# Altium PCB BalanceCar.PcbDoc (part 3 of 3)
Units mil, origin at the board's own origin, x right, y up, seen from the top; angles counter-clockwise.
Board outline 3810.03 x 2355.03 mil, 2 copper layers (Top Layer, Bottom Layer); 118 components, 87 nets, 429 pads, 218 vias.
Unrouted connection lines stored in the file: 3.
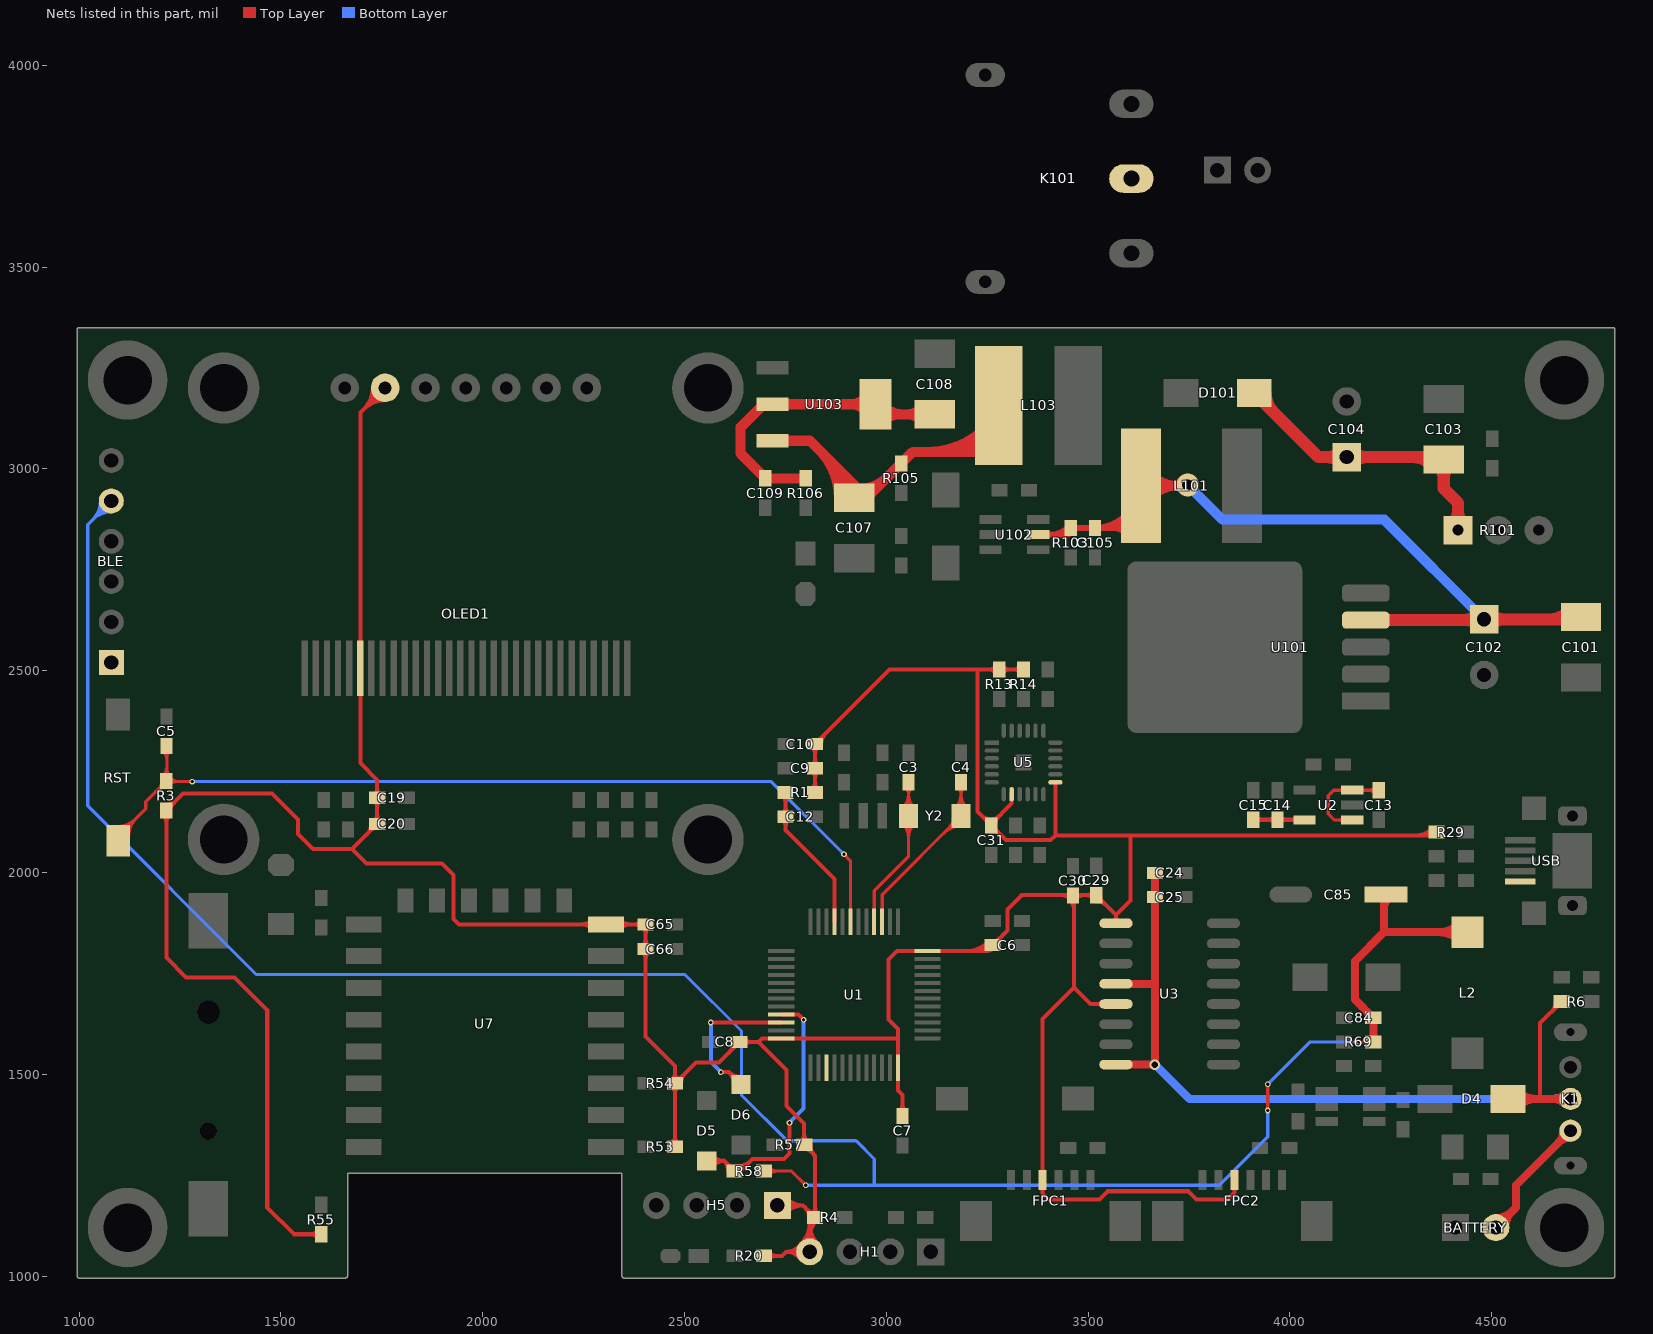
[diagram p3: the nets of this part, all layers, seen from the top]

## Via types
v1: diameter 14, hole 8, Top Layer to Bottom Layer, 171 vias
v2: diameter 28, hole 16, Top Layer to Bottom Layer, 44 vias
v3: diameter 38, hole 15, Top Layer to Bottom Layer, 1 vias
v4: diameter 56, hole 28, Top Layer to Bottom Layer, 1 vias
v5: diameter 26, hole 16, Top Layer to Bottom Layer, 1 vias

## Nets (pads, with @x,y where several pads share a name; then routed paths per layer and width w, separated by ;. In a path a pad name is that pad's centre, name@x,y a point inside that pad or via, vN(x,y) a via of type N, cw(c..) or ccw(c..) an arc to the next point about the centre after c; other vN are vias at no path point) (continued)
PB10: D5.1 R58.2 U1.21 | length 982.5
  Top Layer w10: D5.1@2555,1285 2598.5,1285 ; U1.21@2739.63,1647.68 2782.32,1647.68 v1(2795,1635) ; v1(2760,1380) 2760,1304 2746,1290 2668.75,1290 2638.75,1260 R58.2@2623.5,1260 2598.5,1285 ; 2598.5,1285 cw(c2598.5,1326.49) 2568.47,1297.85 ccw(c2598.5,1326.49) 2598.5,1285 ; 2598.5,1285 ccw(c2598.5,1243.51) 2568.47,1272.15 cw(c2598.5,1243.51) 2598.5,1285 ; 2597.89,1285.61 cw(c2572.29,1260) 2608.5,1260 ccw(c2572.29,1260) 2597.89,1285.61 ; R58.2@2608.16,1275.34 ccw(c2619.25,1286.43) 2619.25,1270.75 cw(c2619.25,1286.43) R58.2@2608.16,1275.34 ; R58.2@2627.75,1260.75 ccw(c2627.75,1289.11) 2647.81,1269.06 cw(c2627.75,1289.11) R58.2@2627.75,1260.75 ; R58.2@2627.75,1270.75 ccw(c2627.75,1323.25) 2664.88,1286.13 cw(c2627.75,1323.25) R58.2@2627.75,1270.75
  Bottom Layer w10: v1(2760,1380) 2795,1415 v1(2795,1635)
PB11: D6.2 U1.22 | length 499.5
  Top Layer w10: v1(2565,1628) U1.22@2739.63,1628 ; v1(2590,1505) 2610,1505 ; D6.2@2640,1475 2610,1505 ; 2610,1505 cw(c2582.41,1477.41) 2621.39,1475.78 ccw(c2582.41,1477.41) 2610,1505 ; 2610,1505 ccw(c2637.59,1532.59) 2639.22,1493.61 cw(c2637.59,1532.59) 2610,1505
  Bottom Layer w10: v1(2565,1628) 2565,1530 v1(2590,1505)
PB14: U1.27
PC14: C4.2 U1.3 Y2.1 | length 961.9
  Top Layer w8: U1.3@2989.63,1878 2989.63,1944.63 Y2.1@3184.96,2140 C4.2@3184.96,2223.5 ; 3184.96,2173.96 cw(c3156.9,2173.96) 3176.74,2154.12 ccw(c3156.9,2173.96) 3184.96,2173.96 ; 3184.96,2173.96 ccw(c3213.02,2173.96) 3193.18,2154.12 cw(c3213.02,2173.96) 3184.96,2173.96 ; 3184.96,2191.94 cw(c3211.52,2191.94) 3192.74,2210.72 ccw(c3211.52,2191.94) 3184.96,2191.94 ; 3184.96,2191.94 ccw(c3158.4,2191.94) 3177.18,2210.72 cw(c3158.4,2191.94) 3184.96,2191.94 ; 3184.96,2193.28 cw(c3137.59,2193.28) 3171.09,2159.78 ccw(c3137.59,2193.28) 3184.96,2193.28 ; 3184.96,2193.28 ccw(c3232.33,2193.28) 3198.84,2159.78 cw(c3232.33,2193.28) 3184.96,2193.28 ; 3141.45,2096.45 cw(c3184.96,2052.94) 3184.96,2114.47 ccw(c3184.96,2052.94) 3141.45,2096.45 ; 3155.11,2110.11 cw(c3184.96,2080.25) 3184.96,2122.47 ccw(c3184.96,2080.25) 3155.11,2110.11 ; 3155.61,2110.61 ccw(c3132.13,2134.09) 3165.34,2134.09 cw(c3132.13,2134.09) 3155.61,2110.61
PC15: C3.2 U1.4 Y2.2 | length 938.1
  Top Layer w8: U1.4@2969.95,1878 2969.95,1954.94 3055.04,2040.04 Y2.2@3055.04,2140 C3.2@3055.04,2223.5 ; 3055.04,2086.72 cw(c3102.41,2086.72) 3068.91,2120.22 ccw(c3102.41,2086.72) 3055.04,2086.72 ; 3055.04,2086.72 ccw(c3007.67,2086.72) 3041.16,2120.22 cw(c3007.67,2086.72) 3055.04,2086.72 ; 3055.04,2106.04 cw(c3083.1,2106.04) 3063.26,2125.88 ccw(c3083.1,2106.04) 3055.04,2106.04 ; 3055.04,2106.04 ccw(c3026.98,2106.04) 3046.82,2125.88 cw(c3026.98,2106.04) 3055.04,2106.04 ; 3055.04,2173.96 cw(c3026.98,2173.96) 3046.82,2154.12 ccw(c3026.98,2173.96) 3055.04,2173.96 ; 3055.04,2173.96 ccw(c3083.1,2173.96) 3063.26,2154.12 cw(c3083.1,2173.96) 3055.04,2173.96 ; 3055.04,2191.94 cw(c3081.59,2191.94) 3062.82,2210.72 ccw(c3081.59,2191.94) 3055.04,2191.94 ; 3055.04,2191.94 ccw(c3028.48,2191.94) 3047.26,2210.72 cw(c3028.48,2191.94) 3055.04,2191.94 ; 3055.04,2193.28 cw(c3007.67,2193.28) 3041.16,2159.78 ccw(c3007.67,2193.28) 3055.04,2193.28 ; 3055.04,2193.28 ccw(c3102.41,2193.28) 3068.91,2159.78 cw(c3102.41,2193.28) 3055.04,2193.28
RESET: C5.2 R3.2 RST.1 U1.7 | length 3008.5
  Top Layer w8: RST.1@1096.79,2078.69 1096.79,2089.79 1165,2158 1165,2175.5 R3.2@1216,2226.5 ; C5.2@1217.5,2312 1217.5,2225 v1(1280,2225) ; v1(2895,2045) 2910.89,2029.11 U1.7@2910.89,1878 ; 1272.76,2225 cw(c1272.76,2217.76) 1277.88,2222.88 ccw(c1272.76,2217.76) 1272.76,2225 ; 1272.76,2225 ccw(c1272.76,2232.24) 1277.88,2227.12 cw(c1272.76,2232.24) 1272.76,2225 ; 2900.12,2039.88 cw(c2905.24,2045) 2898,2045 ccw(c2905.24,2045) 2900.12,2039.88 ; 2900.12,2039.88 ccw(c2895,2034.76) 2895,2042 cw(c2895,2034.76) 2900.12,2039.88 ; RST.1@1096.79,2106.06 ccw(c1096.79,2145.34) 1124.56,2117.56 cw(c1096.79,2145.34) RST.1@1096.79,2106.06 ; RST.1@1096.79,2114.06 ccw(c1096.79,2172.65) 1138.22,2131.22 cw(c1096.79,2172.65) RST.1@1096.79,2114.06 ; RST.1@1114.31,2088.53 cw(c1159.66,2088.53) 1127.6,2120.6 ccw(c1159.66,2088.53) RST.1@1114.31,2088.53 ; RST.1@1122.31,2088.53 cw(c1186.98,2088.53) 1141.25,2134.25 ccw(c1186.98,2088.53) RST.1@1122.31,2088.53 ; 1188.69,2199.19 cw(c1216,2171.87) 1216,2210.5 ccw(c1216,2171.87) 1188.69,2199.19 ; 1198.95,2209.45 ccw(c1186.16,2222.25) 1204.25,2222.25 cw(c1186.16,2222.25) 1198.95,2209.45 ; R3.2@1202.34,2212.84 cw(c1216,2199.19) 1216,2218.5 ccw(c1216,2199.19) R3.2@1202.34,2212.84 ; R3.2@1207.69,2239.06 ccw(c1184.02,2262.74) 1217.5,2262.74 cw(c1184.02,2262.74) R3.2@1207.69,2239.06 ; C5.2@1208.22,2300.72 cw(c1185.82,2278.32) 1217.5,2278.32 ccw(c1185.82,2278.32) C5.2@1208.22,2300.72 ; 1217.5,2255.49 ccw(c1240.74,2255.49) 1224.31,2239.06 cw(c1240.74,2255.49) 1217.5,2255.49 ; 1217.5,2285.57 cw(c1238.93,2285.57) 1223.78,2300.72 ccw(c1238.93,2285.57) 1217.5,2285.57 ; R3.2@1224.31,2218.19 cw(c1240.74,2201.76) 1240.74,2225 ccw(c1240.74,2201.76) R3.2@1224.31,2218.19 ; R3.2@1224.31,2234.81 ccw(c1247.98,2258.48) 1247.98,2225 cw(c1247.98,2258.48) R3.2@1224.31,2234.81
  Bottom Layer w8: v1(1280,2225) 2715,2225 v1(2895,2045) ; 1287.24,2225 cw(c1287.24,2232.24) 1282.12,2227.12 ccw(c1287.24,2232.24) 1287.24,2225 ; 1287.24,2225 ccw(c1287.24,2217.76) 1282.12,2222.88 cw(c1287.24,2217.76) 1287.24,2225 ; 2889.88,2050.12 cw(c2884.76,2045) 2892,2045 ccw(c2884.76,2045) 2889.88,2050.12 ; 2889.88,2050.12 ccw(c2895,2055.24) 2895,2048 cw(c2895,2055.24) 2889.88,2050.12
STATE: BLE.1
T_VBAT: BATTERY.2 K1.1 | length 627.8
  Top Layer w20: BATTERY.2@4510,1120 4560,1170 4560,1225 K1.1@4695,1360 ; 4550.06,1160.06 cw(c4510,1200.11) 4510,1143.46 ccw(c4510,1200.11) 4550.06,1160.06 ; 4550.06,1160.06 ccw(c4590.11,1120) 4533.46,1120 cw(c4590.11,1120) 4550.06,1160.06 ; 4665.02,1330.02 cw(c4695,1300.05) 4695,1342.44 ccw(c4695,1300.05) 4665.02,1330.02 ; 4665.02,1330.02 ccw(c4635.05,1360) 4677.44,1360 cw(c4635.05,1360) 4665.02,1330.02
VBAT: C24.2 C25.2 C101.1 C102.1 C105.1 D4.1 K1.2 K101.2 L101.2 R6.1 R103.2 U3.4 U3.8 U101.4 U102.5 | length 5427.7
  Top Layer w10: 4620,1439 4620,1626.5 R6.1@4673.5,1680 ; 4647.89,1654.39 ccw(c4622.29,1680) 4658.5,1680 cw(c4622.29,1680) 4647.89,1654.39 ; R6.1@4658.16,1664.66 cw(c4669.25,1653.57) 4669.25,1669.25 ccw(c4669.25,1653.57) R6.1@4658.16,1664.66
  Top Layer w15: U102.5@3376.06,2837 3440.5,2837 R103.2@3457,2853.5 C105.1@3517,2853.5 ; 3407.52,2837 ccw(c3407.52,2898.73) R103.2@3451.17,2855.08 ; 3438.37,2834.87 cw(c3453.62,2819.62) R103.2@3456.07,2841.05 ; R103.2@3443.73,2837 ccw(c3443.73,2862.52) R103.2@3461.77,2844.47 ; 3548.85,2853.5 ccw(c3548.85,2933.34) L101.2@3610.41,2882.49 ; 3559.22,2853.5 cw(c3559.22,2793.7) L101.2@3601.5,2835.99 ; 3580.7,2853.5 ccw(c3580.7,2907.03) L101.2@3621.97,2872.94 ; L101.2@3598.84,2892.05 cw(c3517.01,2959.64) C105.1@3517,2853.5 ; L101.2@3611,2853.5 C105.1@3517,2853.5 ; 3476.91,2853.5 cw(c3476.91,2873.41) 3462.83,2859.33 ccw(c3476.91,2873.41) 3476.91,2853.5 ; 3476.91,2853.5 ccw(c3476.91,2833.59) 3462.83,2847.67 cw(c3476.91,2833.59) 3476.91,2853.5 ; 3498.89,2853.5 cw(c3498.89,2835.39) 3511.7,2848.2 ccw(c3498.89,2835.39) 3498.89,2853.5 ; 3498.89,2853.5 ccw(c3498.89,2871.61) 3511.7,2858.8 cw(c3498.89,2871.61) 3498.89,2853.5 ; 3535.11,2853.5 cw(c3535.11,2871.61) 3522.3,2858.8 ccw(c3535.11,2871.61) 3535.11,2853.5 ; 3535.11,2853.5 ccw(c3535.11,2835.39) 3522.3,2848.2 cw(c3535.11,2835.39) 3535.11,2853.5
  Top Layer w20: U3.8@3568.81,1524 v5(3665.5,1524) 3665.5,1724 ; U3.4@3568.81,1724 3665.5,1724 ; C24.2@3665.5,1999 C25.2@3665.5,1939 3665.5,1724 ; D4.1@4540.55,1438.74 K1.2@4695,1438.74 ; 4608.43,1438.74 cw(c4608.43,1497.76) 4566.7,1456.03 ccw(c4608.43,1497.76) 4608.43,1438.74 ; 4608.43,1438.74 ccw(c4608.43,1379.72) 4566.7,1421.45 cw(c4608.43,1379.72) 4608.43,1438.74 ; 4652.61,1438.74 cw(c4652.61,1396.35) 4682.58,1426.32 ccw(c4652.61,1396.35) 4652.61,1438.74 ; 4652.61,1438.74 ccw(c4652.61,1481.13) 4682.58,1451.16 cw(c4652.61,1481.13) 4652.61,1438.74
  Top Layer w25: L101.2@3631,2958 3745,2958 v4(3747,2960) ; L101.2@3656.96,2932.04 cw(c3719.63,2869.37) 3719.63,2958 cw(c3719.63,3046.63) L101.2@3656.96,2983.96 ; 3704.75,2958 ccw(c3704.75,3002.25) 3736.04,2970.96 cw(c3704.75,3002.25) 3704.75,2958 ; 3714.41,2958 cw(c3714.41,2927.41) 3736.04,2949.04 ccw(c3714.41,2927.41) 3714.41,2958
  Top Layer w30: U101.4@4188.01,2624.93 C102.1@4479.03,2624.93 ; 4426.92,2624.93 ccw(c4426.92,2680.98) C102.1@4466.55,2641.35 ; 4436.42,2624.93 cw(c4436.42,2582.32) C102.1@4466.55,2612.45 ; C102.1@4481,2626.9 C101.1@4714.9,2626.9 ; C102.1@4495.45,2612.45 cw(c4530.33,2577.57) 4530.33,2626.9 cw(c4530.33,2676.23) C102.1@4495.45,2641.35 ; 4642.98,2626.9 ccw(c4642.98,2696.02) C101.1@4691.86,2647.14
  Bottom Layer w20: v5(3665.5,1524) 3750.76,1438.74 K1.2@4695,1438.74 ; 4652.61,1438.74 cw(c4652.61,1396.35) 4682.58,1426.32 ccw(c4652.61,1396.35) 4652.61,1438.74 ; 4652.61,1438.74 ccw(c4652.61,1481.13) 4682.58,1451.16 cw(c4652.61,1481.13) 4652.61,1438.74
  Bottom Layer w25: v4(3747,2960) 3833,2874 4233.9,2874 C102.1@4481,2626.9
VCC3.3: C6.2 C7.2 C8.2 C9.2 C10.2 C14.2 C15.2 C19.2 C20.2 C29.2 C30.2 C31.2 C65.2 C66.2 C108.2 C109.1 FPC1.3 FPC2.3 H1.4 H5.1 OLED1.6 OLED1.9@1758,3200.45 R1.1 R3.1 R4.2 R13.2 R14.2 R20.1 R29.1 R53.2 R54.2 R55.1 R57.2 R106.1 U1.24 U1.36 U1.48 U2.5 U3.1 U3.5 U5.8 U5.13 U7.8 U103.2 | length 17957.6
  Top Layer w10: R55.1@1600,1103.5 1532.5,1103.5 1466,1170 1466,1659 1385,1740 1265,1740 1216,1789 R3.1@1216,2153.5 1257.5,2195 1478,2195 1542,2131 1542,2095 1579,2058 1676.5,2058 ; OLED1.9@1758,3200.45 1696.58,3139.03 OLED1.6@1696.58,2506 1696.58,2271.42 1738.5,2229.5 C19.2@1738.5,2185 C20.2@1738.5,2120 1676.5,2058 ; R53.2@2476.5,1320 R54.2@2476.5,1477.48 ; R20.1@2696.5,1050 2741,1050 2751,1060 ; H5.1@2730,1175 2793.5,1175 ; R1.1@2823.5,2198 C9.2@2823.5,2258 C10.2@2823.5,2318 3008,2502.5 3226,2502.5 ; 3028.63,1588.63 U1.24@2739.63,1588.63 2691.63,1588.63 2683,1580 ; C7.2@3040,1396.5 3040,1449 3029,1460 U1.36@3029,1515.8 3029,1612 3005,1636 3005,1784 3026.17,1805.17 U1.48@3101.83,1805.17 3248.67,1805.17 C6.2@3263.5,1820 3300,1856.5 3300,1908 3335.5,1943.5 C29.2@3520,1943.5 3568.81,1894.69 ; C31.2@3260,2120 3310.47,2170.47 U5.8@3310.47,2193.76 ; R14.2@3340,2502.5 R13.2@3280,2502.5 3226,2502.5 ; U5.13@3418.74,2223.29 3418.74,2091.74 ; C30.2@3465,1939.5 3465,1715 ; U3.5@3568.81,1674 3506,1674 3465,1715 ; U3.1@3568.81,1874 3568.81,1894.69 ; FPC2.3@3862.31,1237.69 3862.31,1207.31 3845,1190 3768,1190 3748,1210 3548,1210 3528,1190 3402.31,1190 3387.31,1205 FPC1.3@3387.31,1237.69 3387.31,1637.31 3465,1715 ; C15.2@3909,2130.5 C14.2@3969,2130.5 U2.5@4035.04,2130.5 ; R29.1@4355.24,2091.74 3605,2091.74 ; 1216,2123.3 cw(c1241.95,2123.3) 1223.6,2141.65 ccw(c1241.95,2123.3) 1216,2123.3 ; 1216,2123.3 ccw(c1190.05,2123.3) 1208.4,2141.65 cw(c1190.05,2123.3) 1216,2123.3 ; 1574.05,1103.5 cw(c1574.05,1077.55) 1592.4,1095.9 ccw(c1574.05,1077.55) 1574.05,1103.5 ; 1574.05,1103.5 ccw(c1574.05,1129.45) 1592.4,1111.1 cw(c1574.05,1129.45) 1574.05,1103.5 ; 1676.5,2058 1712.5,2022 1899,2022 1928,1993 1928,1884 1940.82,1871.18 U7.8@2305.24,1871.18 C65.2@2403.5,1871.18 C66.2@2403.5,1810 2403.5,1593.5 2476.5,1520.5 R54.2@2476.5,1477.48 ; 1706.05,3148.5 cw(c1758,3096.54) 1758,3170.02 ccw(c1758,3096.54) 1706.05,3148.5 ; 1706.05,3148.5 ccw(c1654.1,3200.45) 1727.57,3200.45 cw(c1654.1,3200.45) 1706.05,3148.5 ; 1723.12,3165.57 cw(c1758,3130.69) 1758,3180.02 ccw(c1758,3130.69) 1723.12,3165.57 ; 1723.12,3165.57 ccw(c1688.24,3200.45) 1737.57,3200.45 cw(c1688.24,3200.45) 1723.12,3165.57 ; 1738.5,2144.14 cw(c1714.36,2144.14) 1731.43,2127.07 ccw(c1714.36,2144.14) 1738.5,2144.14 ; 1738.5,2144.14 ccw(c1762.64,2144.14) 1745.57,2127.07 cw(c1762.64,2144.14) 1738.5,2144.14 ; 1738.5,2160.86 cw(c1762.64,2160.86) 1745.57,2177.93 ccw(c1762.64,2160.86) 1738.5,2160.86 ; 1738.5,2160.86 ccw(c1714.36,2160.86) 1731.43,2177.93 cw(c1714.36,2160.86) 1738.5,2160.86 ; 1738.5,2209.14 cw(c1714.36,2209.14) 1731.43,2192.07 ccw(c1714.36,2209.14) 1738.5,2209.14 ; 1738.5,2209.14 ccw(c1762.64,2209.14) 1745.57,2192.07 cw(c1762.64,2209.14) 1738.5,2209.14 ; 2245.18,1871.18 cw(c2245.18,1835.73) 2270.25,1860.8 ccw(c2245.18,1835.73) 2245.18,1871.18 ; 2245.18,1871.18 ccw(c2245.18,1906.63) 2270.25,1881.57 cw(c2245.18,1906.63) 2245.18,1871.18 ; 2365.3,1871.18 cw(c2365.3,1906.63) 2340.23,1881.57 ccw(c2365.3,1906.63) 2365.3,1871.18 ; 2365.3,1871.18 ccw(c2365.3,1835.73) 2340.23,1860.8 cw(c2365.3,1835.73) 2365.3,1871.18 ; 2374.36,1871.18 cw(c2374.36,1847.04) 2391.43,1864.11 ccw(c2374.36,1847.04) 2374.36,1871.18 ; 2374.36,1871.18 ccw(c2374.36,1895.32) 2391.43,1878.25 cw(c2374.36,1895.32) 2374.36,1871.18 ; 2403.5,1785.86 cw(c2427.64,1785.86) 2410.57,1802.93 ccw(c2427.64,1785.86) 2403.5,1785.86 ; 2403.5,1785.86 ccw(c2379.36,1785.86) 2396.43,1802.93 cw(c2379.36,1785.86) 2403.5,1785.86 ; 2403.5,1834.14 cw(c2379.36,1834.14) 2396.43,1817.07 ccw(c2379.36,1834.14) 2403.5,1834.14 ; 2403.5,1834.14 ccw(c2427.64,1834.14) 2410.57,1817.07 cw(c2427.64,1834.14) 2403.5,1834.14 ; 2403.5,1847.04 cw(c2427.64,1847.04) 2410.57,1864.11 ccw(c2427.64,1847.04) 2403.5,1847.04 ; 2403.5,1847.04 ccw(c2379.36,1847.04) 2396.43,1864.11 cw(c2379.36,1847.04) 2403.5,1847.04 ; 2476.5,1345.95 cw(c2450.55,1345.95) 2468.9,1327.6 ccw(c2450.55,1345.95) 2476.5,1345.95 ; 2476.5,1345.95 ccw(c2502.45,1345.95) 2484.1,1327.6 cw(c2502.45,1345.95) 2476.5,1345.95 ; 2476.5,1451.53 cw(c2502.45,1451.53) 2484.1,1469.88 ccw(c2502.45,1451.53) 2476.5,1451.53 ; 2476.5,1451.53 ccw(c2450.55,1451.53) 2468.9,1469.88 cw(c2450.55,1451.53) 2476.5,1451.53 ; R54.2@2476.5,1477.48 2528.02,1529 2585.5,1529 C8.2@2636.5,1580 2683,1580 ; 2476.5,1503.43 cw(c2450.55,1503.43) 2468.9,1485.08 ccw(c2450.55,1503.43) 2476.5,1503.43 ; 2476.5,1503.43 ccw(c2502.45,1503.43) 2484.1,1485.08 cw(c2502.45,1503.43) 2476.5,1503.43 ; 2665.64,1580 cw(c2665.64,1604.14) 2648.57,1587.07 ccw(c2665.64,1604.14) 2665.64,1580 ; 2665.64,1580 ccw(c2665.64,1555.86) 2648.57,1572.93 cw(c2665.64,1555.86) 2665.64,1580 ; 2683,1580 2753,1510 2753,1421 2796.5,1377.5 R57.2@2796.5,1325 2823.5,1298 R4.2@2823.5,1145 ; 2726.7,1050 cw(c2726.7,1075.95) 2708.35,1057.6 ccw(c2726.7,1075.95) 2726.7,1050 ; 2726.7,1050 ccw(c2726.7,1024.05) 2708.35,1042.4 cw(c2726.7,1024.05) 2726.7,1050 ; 2751,1060 cw(c2751,1013.09) 2787.72,1042.29 ccw(c2751,1013.09) 2751,1060 ; 2751,1060 ccw(c2751,1106.91) 2787.72,1077.71 cw(c2751,1106.91) 2751,1060 ; 2751,1060 H1.4@2810,1060 2810,1131.5 R4.2@2823.5,1145 ; 2771.19,1175 cw(c2771.19,1211.71) 2743.78,1187.29 ccw(c2771.19,1211.71) 2771.19,1175 ; 2771.19,1175 ccw(c2771.19,1138.29) 2743.78,1162.71 cw(c2771.19,1138.29) 2771.19,1175 ; 2771.73,1060 cw(c2771.73,1029.57) 2795.55,1048.51 ccw(c2771.73,1029.57) 2771.73,1060 ; 2771.73,1060 ccw(c2771.73,1090.43) 2795.55,1071.49 cw(c2771.73,1090.43) 2771.73,1060 ; 2793.5,1175 cw(c2793.5,1231.59) 2751.25,1193.94 ccw(c2793.5,1231.59) 2793.5,1175 ; 2793.5,1175 ccw(c2793.5,1118.41) 2751.25,1156.06 cw(c2793.5,1118.41) 2793.5,1175 ; 2793.5,1175 R4.2@2823.5,1145 ; 2796.5,1350.95 cw(c2770.55,1350.95) 2788.9,1332.6 ccw(c2770.55,1350.95) 2796.5,1350.95 ; 2796.5,1350.95 ccw(c2822.45,1350.95) 2804.1,1332.6 cw(c2822.45,1350.95) 2796.5,1350.95 ; 2810,1104.58 cw(c2765.42,1104.58) 2796.94,1073.06 ccw(c2765.42,1104.58) 2810,1104.58 ; 2810,1104.58 ccw(c2854.58,1104.58) 2823.06,1073.06 cw(c2854.58,1104.58) 2810,1104.58 ; 2810,1128.72 cw(c2741.28,1128.72) 2789.87,1080.13 ccw(c2741.28,1128.72) 2810,1128.72 ; 2810,1128.72 ccw(c2878.72,1128.72) 2830.13,1080.13 cw(c2878.72,1128.72) 2810,1128.72 ; 2823.5,1170.95 cw(c2797.55,1170.95) 2815.9,1152.6 ccw(c2797.55,1170.95) 2823.5,1170.95 ; 2823.5,1170.95 ccw(c2849.45,1170.95) 2831.1,1152.6 cw(c2849.45,1170.95) 2823.5,1170.95 ; 2823.5,2223.95 cw(c2797.55,2223.95) 2815.9,2205.6 ccw(c2797.55,2223.95) 2823.5,2223.95 ; 2823.5,2223.95 ccw(c2849.45,2223.95) 2831.1,2205.6 cw(c2849.45,2223.95) 2823.5,2223.95 ; 2823.5,2233.86 cw(c2847.64,2233.86) 2830.57,2250.93 ccw(c2847.64,2233.86) 2823.5,2233.86 ; 2823.5,2233.86 ccw(c2799.36,2233.86) 2816.43,2250.93 cw(c2799.36,2233.86) 2823.5,2233.86 ; 2823.5,2282.14 cw(c2799.36,2282.14) 2816.43,2265.07 ccw(c2799.36,2282.14) 2823.5,2282.14 ; 2823.5,2282.14 ccw(c2847.64,2282.14) 2830.57,2265.07 cw(c2847.64,2282.14) 2823.5,2282.14 ; 2823.5,2293.86 cw(c2847.64,2293.86) 2830.57,2310.93 ccw(c2847.64,2293.86) 2823.5,2293.86 ; 2823.5,2293.86 ccw(c2799.36,2293.86) 2816.43,2310.93 cw(c2799.36,2293.86) 2823.5,2293.86 ; 3040,1425.64 cw(c3015.86,1425.64) 3032.93,1408.57 ccw(c3015.86,1425.64) 3040,1425.64 ; 3040,1425.64 ccw(c3064.14,1425.64) 3047.07,1408.57 cw(c3064.14,1425.64) 3040,1425.64 ; 3226,2502.5 3226,2150.5 C31.2@3260,2116.5 3296.5,2080 3407,2080 3418.74,2091.74 ; 3254.05,2502.5 cw(c3254.05,2476.55) 3272.4,2494.9 ccw(c3254.05,2476.55) 3254.05,2502.5 ; 3254.05,2502.5 ccw(c3254.05,2528.45) 3272.4,2510.1 cw(c3254.05,2528.45) 3254.05,2502.5 ; C31.2@3260,2131.5 ccw(c3260,2159.26) 3279.63,2139.63 cw(c3260,2159.26) C31.2@3260,2131.5 ; C31.2@3260,2131.5 cw(c3260,2167.71) 3234.39,2142.11 ccw(c3260,2167.71) C31.2@3260,2131.5 ; 3305.95,2502.5 cw(c3305.95,2528.45) 3287.6,2510.1 ccw(c3305.95,2528.45) 3305.95,2502.5 ; 3305.95,2502.5 ccw(c3305.95,2476.55) 3287.6,2494.9 cw(c3305.95,2476.55) 3305.95,2502.5 ; 3314.05,2502.5 cw(c3314.05,2476.55) 3332.4,2494.9 ccw(c3314.05,2476.55) 3314.05,2502.5 ; 3314.05,2502.5 ccw(c3314.05,2528.45) 3332.4,2510.1 cw(c3314.05,2528.45) 3314.05,2502.5 ; 3387.31,1211.23 cw(c3399.01,1211.23) 3390.74,1219.5 ccw(c3399.01,1211.23) 3387.31,1211.23 ; 3387.31,1211.23 ccw(c3375.62,1211.23) 3383.89,1219.5 cw(c3375.62,1211.23) 3387.31,1211.23 ; 3387.31,1264.14 cw(c3375.62,1264.14) 3383.89,1255.88 ccw(c3375.62,1264.14) 3387.31,1264.14 ; 3387.31,1264.14 ccw(c3399.01,1264.14) 3390.74,1255.88 cw(c3399.01,1264.14) 3387.31,1264.14 ; 3418.74,2091.74 3605,2091.74 ; 3495.86,1943.5 cw(c3495.86,1919.36) 3512.93,1936.43 ccw(c3495.86,1919.36) 3495.86,1943.5 ; 3495.86,1943.5 ccw(c3495.86,1967.64) 3512.93,1950.57 cw(c3495.86,1967.64) 3495.86,1943.5 ; 3522.84,1674 cw(c3522.84,1657.56) 3534.47,1669.18 ccw(c3522.84,1657.56) 3522.84,1674 ; 3522.84,1674 ccw(c3522.84,1690.44) 3534.47,1678.82 cw(c3522.84,1690.44) 3522.84,1674 ; 3568.81,1890.44 cw(c3552.37,1890.44) 3563.99,1878.82 ccw(c3552.37,1890.44) 3568.81,1890.44 ; 3568.81,1890.44 ccw(c3585.25,1890.44) 3573.63,1878.82 cw(c3585.25,1890.44) 3568.81,1890.44 ; 3568.81,1894.69 3605,1930.88 3605,2091.74 ; 3862.31,1211.23 cw(c3874.01,1211.23) 3865.74,1219.5 ccw(c3874.01,1211.23) 3862.31,1211.23 ; 3862.31,1211.23 ccw(c3850.62,1211.23) 3858.89,1219.5 cw(c3850.62,1211.23) 3862.31,1211.23 ; 3933.14,2130.5 cw(c3933.14,2154.64) 3916.07,2137.57 ccw(c3933.14,2154.64) 3933.14,2130.5 ; 3933.14,2130.5 ccw(c3933.14,2106.36) 3916.07,2123.43 cw(c3933.14,2106.36) 3933.14,2130.5 ; 3944.86,2130.5 cw(c3944.86,2106.36) 3961.93,2123.43 ccw(c3944.86,2106.36) 3944.86,2130.5 ; 3944.86,2130.5 ccw(c3944.86,2154.64) 3961.93,2137.57 cw(c3944.86,2154.64) 3944.86,2130.5 ; 3993.14,2130.5 cw(c3993.14,2154.64) 3976.07,2137.57 ccw(c3993.14,2154.64) 3993.14,2130.5 ; 3993.14,2130.5 ccw(c3993.14,2106.36) 3976.07,2123.43 cw(c3993.14,2106.36) 3993.14,2130.5 ; R3.1@1216,2168.5 ccw(c1216,2204.71) 1241.61,2179.11 cw(c1216,2204.71) R3.1@1216,2168.5 ; R3.1@1226.75,2157.75 cw(c1242.43,2157.75) 1231.34,2168.84 ccw(c1242.43,2157.75) R3.1@1226.75,2157.75 ; 1712.89,2094.39 ccw(c1687.29,2120) 1723.5,2120 cw(c1687.29,2120) 1712.89,2094.39 ; C20.2@1724.96,2106.46 cw(c1733.5,2097.93) 1733.5,2110 ccw(c1733.5,2097.93) C20.2@1724.96,2106.46 ; R54.2@2480.75,1488.23 ccw(c2480.75,1503.91) 2491.84,1492.82 cw(c2480.75,1503.91) R54.2@2480.75,1488.23 ; R54.2@2491.5,1477.48 cw(c2527.71,1477.48) 2502.11,1503.09 ccw(c2527.71,1477.48) R54.2@2491.5,1477.48 ; 2610.89,1554.39 ccw(c2585.29,1580) 2621.5,1580 cw(c2585.29,1580) 2610.89,1554.39 ; C8.2@2622.96,1566.46 cw(c2631.5,1557.93) 2631.5,1570 ccw(c2631.5,1557.93) C8.2@2622.96,1566.46 ; 2797.89,1170.61 cw(c2772.29,1145) 2808.5,1145 ccw(c2772.29,1145) 2797.89,1170.61 ; R57.2@2800.75,1314.25 cw(c2800.75,1298.57) 2811.84,1309.66 ccw(c2800.75,1298.57) R57.2@2800.75,1314.25 ; R4.2@2808.16,1160.34 ccw(c2819.25,1171.43) 2819.25,1155.75 cw(c2819.25,1171.43) R4.2@2808.16,1160.34 ; 2810,1096.73 cw(c2867.52,1096.73) 2826.85,1137.4 ccw(c2867.52,1096.73) 2810,1096.73 ; 2810,1120.87 cw(c2843.38,1120.87) 2819.78,1144.47 ccw(c2843.38,1120.87) 2810,1120.87 ; R57.2@2811.5,1324.76 ccw(c2845.24,1323.99) 2821.37,1300.13 cw(c2845.24,1323.99) R57.2@2811.5,1324.76 ; C10.2@2828.5,2328 ccw(c2828.5,2340.07) 2837.04,2331.54 cw(c2828.5,2340.07) C10.2@2828.5,2328 ; C10.2@2838.5,2318 cw(c2874.71,2318) 2849.11,2343.61 ccw(c2874.71,2318) C10.2@2838.5,2318 ; 3198.54,1805.17 ccw(c3198.54,1879.96) 3251.43,1827.07 cw(c3198.54,1879.96) 3198.54,1805.17 ; 3222.69,1805.17 ccw(c3222.69,1855.81) 3258.5,1820 cw(c3222.69,1855.81) 3222.69,1805.17 ; C31.2@3246.46,2130.04 cw(c3237.93,2121.5) 3250,2121.5 ccw(c3237.93,2121.5) C31.2@3246.46,2130.04 ; C6.2@3246.83,1805.17 ccw(c3246.83,1831.67) 3265.57,1812.93 cw(c3246.83,1831.67) C6.2@3246.83,1805.17 ; C31.2@3260,2101.5 cw(c3260,2065.29) 3285.61,2090.89 ccw(c3260,2065.29) C31.2@3260,2101.5 ; C6.2@3268.5,1830 ccw(c3268.5,1842.07) 3277.04,1833.54 cw(c3268.5,1842.07) C6.2@3268.5,1830 ; C31.2@3270,2111.5 ccw(c3282.07,2111.5) 3273.54,2102.96 cw(c3282.07,2111.5) C31.2@3270,2111.5 ; C31.2@3270,2121.5 cw(c3290.52,2121.5) 3276.01,2136.01 ccw(c3290.52,2121.5) C31.2@3270,2121.5 ; C6.2@3278.5,1820 cw(c3314.71,1820) 3289.11,1845.61 ccw(c3314.71,1820) C6.2@3278.5,1820 ; 3435.44,1943.5 cw(c3435.44,1915.94) 3454.93,1935.43 ccw(c3435.44,1915.94) 3435.44,1943.5 ; 3440.27,1943.5 ccw(c3440.27,1964.23) 3454.93,1949.57 cw(c3440.27,1964.23) 3440.27,1943.5 ; C30.2@3454.93,1930.43 cw(c3430.62,1906.12) 3465,1906.12 ccw(c3430.62,1906.12) C30.2@3454.93,1930.43 ; 3465,1920.6 cw(c3478.9,1920.6) 3469.07,1930.43 ccw(c3478.9,1920.6) 3465,1920.6 ; C30.2@3469.07,1935.43 cw(c3488.56,1915.94) 3488.56,1943.5 ccw(c3488.56,1915.94) C30.2@3469.07,1935.43 ; C30.2@3469.07,1949.57 ccw(c3483.73,1964.23) 3483.73,1943.5 cw(c3483.73,1964.23) C30.2@3469.07,1949.57 ; C29.2@3520,1928.5 cw(c3520,1892.29) 3545.61,1917.89 ccw(c3520,1892.29) C29.2@3520,1928.5 ; C29.2@3530,1938.5 ccw(c3542.07,1938.5) 3533.54,1929.96 cw(c3542.07,1938.5) C29.2@3530,1938.5 ; 4002.97,2130.5 cw(c4002.97,2113.36) 4015.09,2125.48 ccw(c4002.97,2113.36) 4002.97,2130.5 ; 4007.32,2130.5 ccw(c4007.32,2141.49) 4015.09,2133.72 cw(c4007.32,2141.49) 4007.32,2130.5 ; 4313.36,2091.74 ccw(c4313.36,2145.89) 4351.65,2107.6 cw(c4313.36,2145.89) 4313.36,2091.74 ; 4337.5,2091.74 ccw(c4337.5,2121.75) 4358.72,2100.53 cw(c4337.5,2121.75) 4337.5,2091.74
  Top Layer w25: R106.1@2800,2976.5 C109.1@2700,2976.5 2639,3037.5 2639,3103 2696,3160 U103.2@2718,3160 U103.2@2973,3160 ; U103.2@2954,3141 ccw(c2908.13,3095.13) 2908.13,3160 ccw(c2908.13,3224.87) U103.2@2954,3179 ; U103.2@2992,3117.38 cw(c3034.54,3074.83) 3034.54,3135 ; U103.2@2992,3155.38 ccw(c3041.2,3204.57) 3041.2,3135 ; U103.2@2998,3135 C108.2@3120,3135 ; C108.2@3089.09,3119.09 ccw(c3050.68,3080.68) 3050.68,3135 ccw(c3050.68,3189.32) C108.2@3089.09,3150.91
VCC3.3A: C12.2 R1.2 U1.9 | length 603.3
  Top Layer w10: R1.2@2750.5,2198 C12.2@2750.5,2138 2750.5,2104.5 2871.52,1983.48 U1.9@2871.52,1878 ; 2750.5,2113.86 cw(c2774.64,2113.86) 2757.57,2130.93 ccw(c2774.64,2113.86) 2750.5,2113.86 ; 2750.5,2113.86 ccw(c2726.36,2113.86) 2743.43,2130.93 cw(c2726.36,2113.86) 2750.5,2113.86 ; 2750.5,2162.14 cw(c2726.36,2162.14) 2743.43,2145.07 ccw(c2726.36,2162.14) 2750.5,2162.14 ; 2750.5,2162.14 ccw(c2774.64,2162.14) 2757.57,2145.07 cw(c2774.64,2162.14) 2750.5,2162.14 ; 2750.5,2172.05 cw(c2776.45,2172.05) 2758.1,2190.4 ccw(c2776.45,2172.05) 2750.5,2172.05 ; 2750.5,2172.05 ccw(c2724.55,2172.05) 2742.9,2190.4 cw(c2724.55,2172.05) 2750.5,2172.05
VCC5: BLE.5 C13.1 C84.2 C85.1 C107.2 L2.1 L103.2 R58.1 R69.1 R105.1 U2.1 U2.3 U103.3 USB.1 | length 8421.8
  Top Layer w8: R58.1@2696.5,1260 2765,1260 v1(2800,1225) ; v1(3945,1410) v1(3945,1475) ; U2.1@4154.06,2129.6 4110.4,2129.6 4095,2145 4095,2190 4108.5,2203.5 C13.1@4220,2203.5 ; v1(4170,1580) R69.1@4206.5,1580 ; 2729.11,1260 cw(c2729.11,1288.36) 2709.06,1268.31 ccw(c2729.11,1288.36) 2729.11,1260 ; 2729.11,1260 ccw(c2729.11,1231.64) 2709.06,1251.69 cw(c2729.11,1231.64) 2729.11,1260 ; 2794.88,1230.12 cw(c2789.76,1225) 2797,1225 ccw(c2789.76,1225) 2794.88,1230.12 ; 2794.88,1230.12 ccw(c2800,1235.24) 2800,1228 cw(c2800,1235.24) 2794.88,1230.12 ; 3945,1417.24 cw(c3937.76,1417.24) 3942.88,1412.12 ccw(c3937.76,1417.24) 3945,1417.24 ; 3945,1417.24 ccw(c3952.24,1417.24) 3947.12,1412.12 cw(c3952.24,1417.24) 3945,1417.24 ; 3945,1467.76 cw(c3952.24,1467.76) 3947.12,1472.88 ccw(c3952.24,1467.76) 3945,1467.76 ; 3945,1467.76 ccw(c3937.76,1467.76) 3942.88,1472.88 cw(c3937.76,1467.76) 3945,1467.76 ; 4120.84,2129.6 cw(c4120.84,2113.12) 4132.5,2124.77 ccw(c4120.84,2113.12) 4120.84,2129.6 ; 4120.84,2129.6 ccw(c4120.84,2146.08) 4132.5,2134.43 cw(c4120.84,2146.08) 4120.84,2129.6 ; v1@4173.89,1580 cw(c4173.89,1551.64) 4193.94,1571.69 ccw(c4173.89,1551.64) v1@4173.89,1580 ; v1@4173.89,1580 ccw(c4173.89,1608.36) 4193.94,1588.31 cw(c4173.89,1608.36) v1@4173.89,1580 ; 4177.24,1580 cw(c4177.24,1587.24) 4172.12,1582.12 ccw(c4177.24,1587.24) 4177.24,1580 ; 4177.24,1580 ccw(c4177.24,1572.76) 4172.12,1577.88 cw(c4177.24,1572.76) 4177.24,1580 ; 4193.44,2203.5 cw(c4193.44,2176.94) 4212.22,2195.72 ccw(c4193.44,2176.94) 4193.44,2203.5 ; 4193.44,2203.5 ccw(c4193.44,2230.06) 4212.22,2211.28 cw(c4193.44,2230.06) 4193.44,2203.5 ; 4118.66,2203.5 ccw(c4118.66,2223.06) 4132.5,2209.23 cw(c4118.66,2223.06) 4118.66,2203.5 ; 4123.02,2203.5 cw(c4123.02,2190.1) 4132.5,2199.57 ccw(c4123.02,2190.1) 4123.02,2203.5 ; U2.3@4175.61,2199.57 cw(c4185.09,2190.1) 4185.09,2203.5 ccw(c4185.09,2190.1) U2.3@4175.61,2199.57 ; U2.3@4175.61,2209.23 ccw(c4189.45,2223.06) 4189.45,2203.5 cw(c4189.45,2223.06) U2.3@4175.61,2209.23
  Top Layer w20: R69.1@4206.5,1580 C84.2@4206.5,1640 4161,1685.5 4161,1780 4233,1852 ; C85.1@4233,1939.89 4233,1852 ; L2.1@4440,1852 4233,1852 ; 4369.09,1852 cw(c4369.09,1781.09) 4419.23,1831.23 ccw(c4369.09,1781.09) 4369.09,1852 ; 4369.09,1852 ccw(c4369.09,1922.91) 4419.23,1872.77 cw(c4369.09,1922.91) 4369.09,1852 ; 4189.43,1657.07 cw(c4172.36,1640) 4196.5,1640 ccw(c4172.36,1640) 4189.43,1657.07 ; 4233,1909.28 cw(c4273.83,1909.28) 4244.96,1938.15 ccw(c4273.83,1909.28) 4233,1909.28
  Top Layer w25: U103.3@2718,3069.45 2811.05,3069.45 2952,2928.5 R105.1@3037,3013.5 3065.5,3042 L103.2@3245,3042 ; 2833.36,3047.14 cw(c2714.71,2928.5) C107.2@2882.5,2928.5 ; 2876.03,3004.47 cw(c2800.07,2928.5) C107.2@2907.5,2928.5 ; C107.2@2918.71,2961.79 cw(c2885.42,2928.5) C107.2@2932.5,2928.5 ; C107.2@2935,2951 ccw(c2935,3046.36) 3002.43,2978.93 ; 3102.4,3042 ccw(c3102.4,3244.59) L103.2@3245.66,3101.34 ; 3162.76,3042 ccw(c3162.76,3184.23) L103.2@3263.33,3083.66 ; L103.2@3223.11,3042 ccw(c3223.11,3123.88) L103.2@3281.01,3065.98
  Bottom Layer w8: BLE.5@1079.58,2920.43 1021,2861.85 1021,2165 1439,1747 2501,1747 2641,1607 2641,1448 2754,1335 2925,1335 2970,1290 2970,1225 ; v1(2800,1225) 2970,1225 ; v1(3945,1410) 3945,1345 3825,1225 2970,1225 ; v1(3945,1475) 4050,1580 v1(4170,1580) ; 1033.48,2874.33 cw(c1079.58,2828.24) 1079.58,2893.42 ccw(c1079.58,2828.24) 1033.48,2874.33 ; 1033.48,2874.33 ccw(c987.39,2920.43) 1052.58,2920.43 cw(c987.39,2920.43) 1033.48,2874.33 ; 1047.14,2887.99 cw(c1079.58,2855.55) 1079.58,2901.43 ccw(c1079.58,2855.55) 1047.14,2887.99 ; 1047.14,2887.99 ccw(c1014.7,2920.43) 1060.58,2920.43 cw(c1014.7,2920.43) 1047.14,2887.99 ; 2807.24,1225 cw(c2807.24,1232.24) 2802.12,1227.12 ccw(c2807.24,1232.24) 2807.24,1225 ; 2807.24,1225 ccw(c2807.24,1217.76) 2802.12,1222.88 cw(c2807.24,1217.76) 2807.24,1225 ; 3945,1402.76 cw(c3952.24,1402.76) 3947.12,1407.88 ccw(c3952.24,1402.76) 3945,1402.76 ; 3945,1402.76 ccw(c3937.76,1402.76) 3942.88,1407.88 cw(c3937.76,1402.76) 3945,1402.76 ; 3950.12,1480.12 cw(c3945,1485.24) 3945,1478 ccw(c3945,1485.24) 3950.12,1480.12 ; 3950.12,1480.12 ccw(c3955.24,1475) 3948,1475 cw(c3955.24,1475) 3950.12,1480.12 ; 4162.76,1580 cw(c4162.76,1572.76) 4167.88,1577.88 ccw(c4162.76,1572.76) 4162.76,1580 ; 4162.76,1580 ccw(c4162.76,1587.24) 4167.88,1582.12 cw(c4162.76,1587.24) 4162.76,1580
VCC12: C103.1 C104.1 D101.2 R101.1 | length 1135.1
  Top Layer w30: D101.2@3911.55,3188 4070.45,3029.1 C104.1@4141,3029.1 C103.1@4374.9,3029.1 ; D101.2@3939.86,3188 ccw(c4008.2,3188) 3959.87,3139.68 ; C104.1@4126.55,3014.65 ccw(c4091.67,2979.77) 4091.67,3029.1 ccw(c4091.67,3078.43) C104.1@4126.55,3043.55 ; C104.1@4155.45,3014.65 cw(c4190.33,2979.77) 4190.33,3029.1 cw(c4190.33,3078.43) C104.1@4155.45,3043.55 ; 4302.98,3029.1 cw(c4302.98,2959.98) C103.1@4351.86,3008.86 ; C103.1@4366.86,3008.86 cw(c4332.72,2974.72) 4381,2974.72 cw(c4429.28,2974.72) C103.1@4395.14,3008.86 ; C103.1@4381,3023 4381,2951 4416.35,2915.65 R101.1@4416.35,2848 ; R101.1@4401.9,2862.45 ccw(c4367.02,2897.33) 4416.35,2897.33 ccw(c4465.68,2897.33) R101.1@4430.79,2862.45
pads on no net: BAT.0 HOLE1.1 HOLE2.1 HOLE3.1 HOLE4.1 K1.3 K1.4 K1.5 K101. K101.3 OLED1.7 OLED1.8@1358,2081.55 OLED1.8@1358,3200.45 OLED1.8@1751.7,2506 OLED1.8@2558,2081.55 OLED1.8@2558,3200.45 OLED1.9@1779.26,2506 OLED1.13@1889.5,2506 OLED1.18@2027.29,2506 OLED1.19@2054.85,2506 OLED1.20 R101.3 U5.2 U5.3 U5.4 U5.5 U5.6 U5.7 U5.14 U5.15 U5.16 U5.17 U5.19 U5.21 U5.22 U5.25 U7.2 U7.4 U7.5 U7.6 U7.7 U7.9 U7.10 U7.11 U7.12 U7.13 U7.14 U7.17 U7.19 U7.20 U101.0 U101.2 USB.4
copper on no net:
  other v2: 1106.11,1041.22 4693.89,1041.22 1160,1050.72 4640,1050.72 1058.72,1068.58 4741.28,1068.58 1195.18,1092.64 4604.82,1092.64 1040,1120 1040,1120 1040,1120 4760,1120 4760,1120 4760,1120 1195.18,1147.36 4604.82,1147.36 1058.72,1171.42 4741.28,1171.42 1160,1189.28 4640,1189.28 1106.11,1198.78 4693.89,1198.78 1106.11,3141.22 4666.11,3141.22 1160,3150.72 4720,3150.72 1058.72,3168.58 4618.72,3168.58 1195.18,3192.64 4755.18,3192.64 1040,3220 1040,3220 1040,3220 4600,3220 4600,3220 4600,3220 1195.18,3247.36 4755.18,3247.36 1058.72,3271.42 4618.72,3271.42 1160,3289.28 4720,3289.28 1106.11,3298.78 4666.11,3298.78

## Polygon pours and split planes (outlines as drawn)
GND on Top Layer "Top Layer-No Net" (solid, remove dead copper): 2640,3345 2640,2635 3475,2635 3550,2560 3550,2340 3590,2300 4800,2300 4800,3345
GND on Top Layer "Top Layer-No Net" (solid, remove dead copper): 1000,3345 2635,3345 2635,3010 2635,2625 2665,2625 3474,2625 3545,2554 3545,2334 3570,2309 3584,2295 3635,2295 4800,2295 4800,1000 1000,1000
GND on Bottom Layer "Top Layer-No Net" (solid, remove dead copper): 1000,3345 2635,3345 2635,2625 3474,2625 3545,2554 3545,2334 3584,2295 4800,2295 4800,1000 1000,1000
GND on Bottom Layer "Top Layer-No Net" (solid, remove dead copper): 2640,3345 2640,3322 2640,2635 2690,2635 3475,2635 3550,2560 3550,2540 3550,2340 3590,2300 3640,2300 4800,2300 4800,3345

## Keep-outs
Keep-Out Layer:
  lines w10: 1000,1000 1000,3345 4800,3345 4800,1000 2350,1000 2350,1025 2350,1260 1736,1260 1679,1260 1660,1260 1660,1000 1000,1000

## Other copper
Top Layer:
  rectangle net GND: 4649.17,1862 4774,2198

## Silkscreen, mask and mechanical layers (free items; w line width, h text height)
Top Overlay:
  text "屏幕" at 1158,2993 h120
  text "复位" at 1025,1935 h120
  text "USB" at 4600,1780 h107
  text "OFF" at 4496,1507 h58
  text "电机" at 3655,1290 h120
  text "ON" at 4535,1220 h58
  text "电池" at 4155,1080 h120
  text "GND" at 4357,1028 h52
  text "BAT" at 4467,1028 h52
  text "WIFI" at 1371,1021 h107
Top Solder:
  text "OLED" at 2110,2735 h120
  text "Lovelessing..." at 2670,2547 h120
  text "V1.0" at 4301,2164 h120
  text "平衡小车" at 3449,2148 h120
  text "电感" at 4342,1663 h120
  text "ESP8266" at 1783,1475 h120
  text "RTC" at 1132,1455 h120

## Dimensions
1000,3345 to 1000,1000 on Top Overlay
1000,3345 to 4800,3345 on Top Overlay

## Text inside footprints (layer, text, board x,y; h text height)
OLED1: Top Overlay "OLED 1.3-128*64" at 1588,2606 h100; Top Overlay "GND" at 1608,3251 h52; Top Overlay "VCC" at 1708,3251 h52; Top Overlay "CLK" at 1813,3251 h52; Top Overlay "MO" at 1923,3251 h52; Top Overlay "RES" at 2013,3251 h52; Top Overlay "DC" at 2128,3251 h52; Top Overlay "CS" at 2228,3251 h52; Top Overlay "1" at 1548,2391 h52; Top Overlay "30" at 2333,2391 h52
U7: Mechanical 13 "CUTOUT POLYGON" at 2315,1030 h10 r180; Mechanical 13 "ANTENNA AREA" at 2315,1010 h10 r180